# Altium PCB 0.PCB1.PcbDoc (part 3 of 12)
Units mm, origin at the board's own origin, x right, y up, seen from the top; angles counter-clockwise.
Board outline 77 x 72 mm, 6 copper layers (Top Layer, Layer 1, Layer 3, Layer 4, Layer 2, Bottom Layer), stack 1.538 mm thick; 570 components, 490 nets, 3331 pads, 1909 vias.
Unrouted connection lines stored in the file: 2.
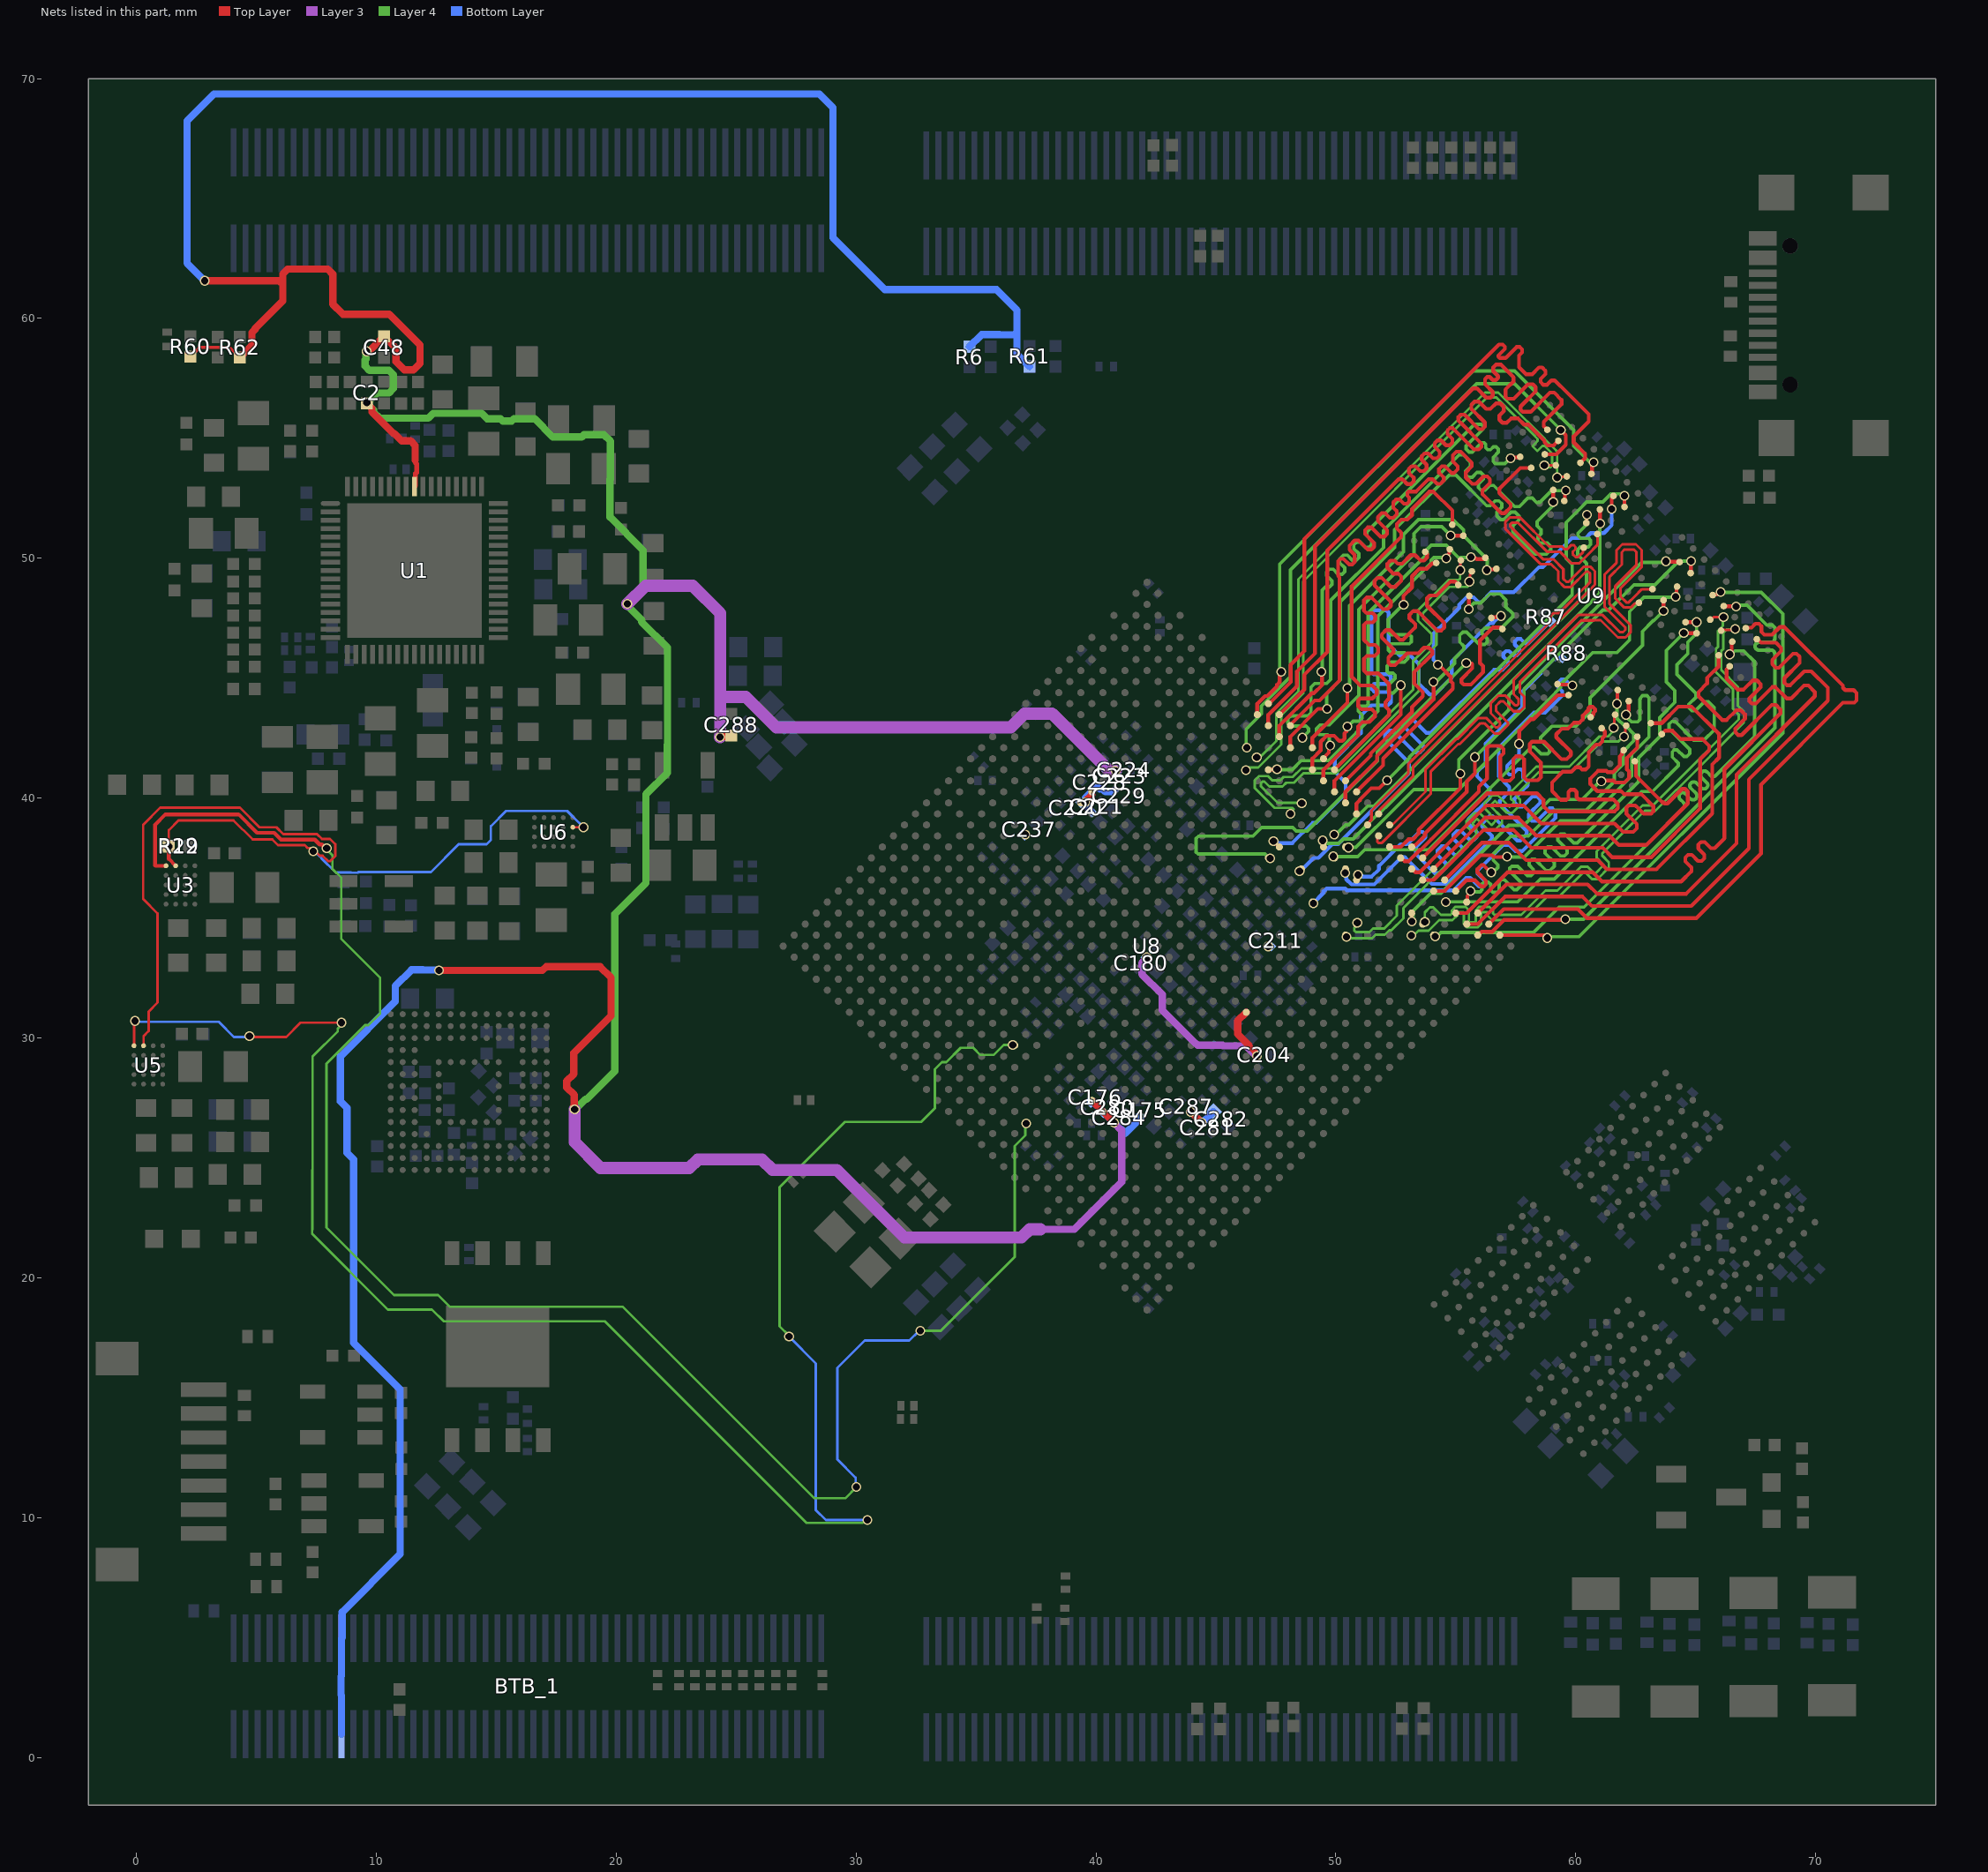
[diagram p7: the nets of this part, all layers, seen from the top]

## Via types
v1: diameter 0.41, hole 0.3, Top Layer to Bottom Layer, tented both sides, 1901 vias
v2: diameter 0.41, hole 0.3, Top Layer to Bottom Layer, 8 vias

## Nets (pads, with @x,y where several pads share a name; then routed paths per layer and width w, separated by ;. In a path a pad name is that pad's centre, name@x,y a point inside that pad or via, vN(x,y) a via of type N, cw(c..) or ccw(c..) an arc to the next point about the centre after c; other vN are vias at no path point) (continued)
AVDD1V8_DDR_PLL_S0: BTB_1.10 BTB_1.91 C2.2 C48.1 C175.2 C176.2 C180.2 C204.2 C211.2 C220.2 C221.2 C223.2 C224.2 C228.2 C229.2 C237.2 C280.2 C281.2 C282.2 C284.2 C287.2 C288.2 R6.2 R60.2 R61.2 R62.2 U1.60 U8.AG11 U8.AG13 U8.AG14 U8.AH18 U8.G23 U8.H23 U8.K16 U8.L27 U8.M12 U8.M27 U8.N27 U8.U18 | length 253.3
  Top Layer w0.127: R60.2@2.255,58.399 2.645,58.789 3.756,58.789 3.786,58.758 3.928,58.758 R62.2@4.312,58.374
  Top Layer w0.203: U1.60@11.59,52.989 11.637,53.036 11.637,53.523 11.681,53.567 11.681,53.933 11.624,53.99 11.624,54.086
  Top Layer w0.254: 46.382,29.671 46.635,29.418 46.635,29.367 46.713,29.29 v1(46.713,29.247)
  Top Layer w0.305: v1(2.849,61.567) 5.958,61.567 6.006,61.519 ; R62.2@4.312,58.374 4.353,58.333 4.353,58.414 4.625,58.687 4.635,58.687 4.816,58.869 4.816,59.407 4.951,59.542 4.951,59.579 6.1,60.728 6.1,61.857 6.298,62.055 7.98,62.055 8.191,61.844 8.191,60.592 8.607,60.175 10.538,60.175 11.82,58.894 11.82,58.121 11.551,57.852 11.171,57.852 10.824,58.198 10.824,58.742 10.341,59.226 C48.1@10.299,59.226 ; v1(9.595,58.628) 9.616,58.648 9.722,58.648 C48.1@10.32,59.246 ; C2.2@9.609,56.455 9.816,56.248 9.816,56.1 10.717,55.2 10.754,55.2 11.059,54.895 11.429,54.895 11.624,54.7 11.624,54.086 ; v1@12.636,32.813 16.924,32.813 17.081,32.97 19.334,32.97 19.788,32.515 19.788,30.922 18.236,29.37 18.236,28.499 17.937,28.199 17.937,27.936 18.252,27.62 18.252,27.041 v1(18.272,27.021) ; v1(24.329,42.542) 24.349,42.562 24.751,42.562 C288.2@24.792,42.603 ; v1(39.547,39.82) 39.547,39.848 39.832,40.133 U8.AG13@39.832,40.26 ; U8.N27@39.832,27.391 40.289,26.935 40.289,26.927 v1(40.748,26.467) ; v1(43.959,26.92) v1(44.418,26.46) ; U8.K16@46.267,31.068 45.912,30.713 45.912,30.165 46.382,29.695
  Layer 3 w0.305: 37.691,22.017 39.105,22.017 41.074,23.986 41.074,26.142 40.764,26.452 v1@40.764,26.457 ; v1(42.125,33.355) 42.125,33.326 41.919,33.12 41.919,32.655 42.763,31.811 42.763,31.158 44.174,29.746 44.186,29.746 44.239,29.693 45.277,29.693 45.299,29.671 46.261,29.671 46.684,29.247 v1(46.713,29.247)
  Layer 3 w0.508: v1(18.272,27.021) 18.272,25.649 19.349,24.572 23.045,24.572 23.403,24.93 26.083,24.93 26.519,24.494 29.195,24.494 32.012,21.677 36.895,21.677 37.234,22.017 37.691,22.017 ; v1(20.471,48.093) 21.23,48.852 23.192,48.852 24.34,47.704 24.34,44.222 ; v1(24.329,42.542) 24.34,42.553 24.34,44.222 ; v1(40.829,41.122) 40.572,41.122 38.173,43.521 37.015,43.521 36.446,42.952 26.675,42.952 25.405,44.222 24.34,44.222
  Layer 4 w0.305: v1(9.595,58.628) 9.575,58.608 9.575,58.304 9.537,58.266 9.537,58.013 9.716,57.835 10.53,57.835 10.708,57.656 10.708,57.07 10.53,56.891 10.04,56.891 9.638,56.489 v1(9.609,56.489) 9.609,56.46 9.882,56.187 9.882,56.106 10.151,55.837 12.168,55.837 12.374,56.043 14.39,56.043 14.62,55.814 15.175,55.814 15.268,55.721 15.648,55.721 15.741,55.814 16.607,55.814 17.363,55.058 18.565,55.058 18.652,55.146 19.493,55.146 19.762,54.877 19.762,53.305 19.742,53.284 19.742,51.712 21.117,50.337 21.117,48.739 v1@20.505,48.127 ; v1(18.272,27.021) 18.301,27.021 18.721,27.441 18.774,27.441 19.947,28.613 19.947,35.165 21.24,36.458 21.24,40.161 22.132,41.054 22.132,42.212 22.138,42.218 22.138,46.275 21.061,47.352 21.061,47.428 v1@20.434,48.055
  Bottom Layer w0.305: v1(2.849,61.567) 2.115,62.301 2.115,68.24 3.23,69.355 28.475,69.355 29.042,68.788 29.042,63.36 31.203,61.199 35.859,61.199 36.71,60.348 36.71,59.426 ; BTB_1.91@8.551,0.97 8.551,2.59 8.534,2.606 8.534,3.379 8.551,3.396 BTB_1.10@8.551,4.97 8.578,4.997 8.578,6.059 10.995,8.476 10.995,15.35 9.052,17.293 9.052,24.933 8.78,25.205 8.78,27.083 8.508,27.355 8.508,29.233 10.794,31.519 10.794,32.167 11.467,32.84 11.943,32.84 11.95,32.833 12.588,32.833 v1(12.608,32.813) ; R6.2@34.73,58.82 35.234,59.324 35.97,59.324 35.976,59.317 36.601,59.317 36.71,59.426 ; R61.2@37.231,57.993 36.885,58.339 36.875,58.339 36.71,58.504 36.71,59.426 ; C221.2@39.813,39.435 39.813,39.438 39.567,39.684 39.567,39.8 v1(39.547,39.82) 39.567,39.84 39.567,40.011 39.971,40.416 C228.2@39.971,40.419 ; C176.2@39.829,27.386 v1(40.748,26.467) ; C228.2@39.94,40.451 C228.2@39.971,40.419 ; C229.2@40.752,40.291 40.72,40.259 40.394,40.259 40.268,40.386 40.162,40.386 40.129,40.419 C228.2@39.971,40.419 ; C284.2@40.827,26.421 41.208,26.04 41.208,26.007 41.673,26.472 41.673,26.583 41.783,26.693 C175.2@41.828,26.693 ; v1(43.959,26.92) 43.963,26.924 43.965,26.924 44.422,26.467 C281.2@44.422,26.464 ; v1(44.418,26.46) C281.2@44.422,26.464 ; C282.2@44.901,26.922 44.472,26.492 44.45,26.492 C281.2@44.422,26.464
  other v1: 47.182,33.817 37.061,38.482
BIG/NPU_EN: R19.1 R22.2 U3.A2 U5.A2 U6.A2 | length 42.6
  Top Layer w0.102: U5.A2@0.299,29.671 0.299,30.079 0.489,30.27 0.508,30.288 0.508,31.093 0.884,31.469 0.884,31.51 0.884,35.192 0.284,35.792 0.284,38.885 0.998,39.599 4.317,39.599 5.136,38.78 5.838,38.78 6.121,38.497 7.53,38.497 7.733,38.294 8.076,38.294 8.291,38.079 8.291,37.583 8.076,37.367 7.992,37.367 7.764,37.595 7.645,37.595 7.459,37.781 7.459,37.868 v1(7.374,37.783) ; v1(1.353,37.982) 1.353,38.669 1.755,39.071 4.05,39.071 4.847,38.274 5.668,38.274 5.906,38.036 7.016,38.036 7.136,37.916 7.453,37.916 v1@7.48,37.889 ; U6.A2@18.193,38.784 v1(18.638,38.784)
  Top Layer w0.156: v1(1.353,37.982) 1.353,37.461 U3.A2@1.637,37.176
  Bottom Layer w0.102: v1(7.374,37.783) 7.438,37.783 7.659,37.562 7.714,37.562 7.714,37.49 8.311,36.893 8.947,36.893 8.948,36.891 9.233,36.891 9.26,36.918 12.277,36.918 13.431,38.072 14.599,38.072 14.777,38.25 14.777,38.834 15.405,39.463 17.959,39.463 18.469,38.953 v1(18.638,38.784)
CPU_BIG0_VSEL: U3.A1 U8.R31 | length 75.2
  Top Layer w0.156: U3.A1@1.237,37.176 0.799,37.176 0.78,37.195 0.78,38.884 1.215,39.319 4.259,39.319 5.029,38.55 5.742,38.55 6.025,38.267 7.434,38.267 7.637,38.063 7.732,38.063 7.886,37.91 v1(7.934,37.91)
  Layer 4 w0.102: v1(7.934,37.91) 7.934,37.847 8.173,37.608 8.173,37.044 8.544,36.673 8.544,34.126 10.162,32.508 10.162,31.02 9.674,30.532 9.534,30.532 7.926,28.923 7.926,22.091 10.736,19.28 12.576,19.28 13.062,18.794 20.271,18.794 28.262,10.804 29.557,10.804 30.019,11.266 v1(30.019,11.271) ; v1(32.682,17.79) 33.535,17.79 36.612,20.867 36.612,25.493 37.056,25.936 37.056,26.073 ; 37.056,26.073 37.056,26.388 v1(37.098,26.43)
  Bottom Layer w0.102: v1(30.019,11.271) 29.983,11.306 29.983,11.665 29.222,12.426 29.222,16.236 30.364,17.378 32.223,17.378 32.623,17.778 v1@32.707,17.778
CPU_BIG1_VSEL: U5.A1 U8.W28 | length 77.5
  Top Layer w0.102: U5.A1@-0.096,29.704 -0.098,29.707 -0.098,30.665 v1(-0.057,30.706) ; v1(4.717,30.07) 4.752,30.036 6.245,30.036 6.842,30.632 v1(8.549,30.632)
  Layer 4 w0.102: v1(8.549,30.632) 8.549,30.549 8.395,30.395 8.395,30.281 7.346,29.232 7.346,24.509 7.335,24.498 7.335,22.008 7.325,21.998 7.325,21.83 10.484,18.671 12.323,18.671 12.81,18.184 19.527,18.184 27.934,9.777 30.274,9.777 30.391,9.894 v1(30.475,9.894) ; v1(27.21,17.545) 27.21,17.579 26.812,17.977 26.812,23.772 29.537,26.498 32.72,26.498 33.288,27.066 33.288,28.693 33.585,28.989 33.766,28.989 34.362,29.585 34.889,29.585 35.187,29.288 35.733,29.288 36.153,29.708 36.523,29.708 v1(36.531,29.7)
  Bottom Layer w0.102: v1(-0.057,30.706) -0.021,30.671 3.431,30.671 4.066,30.036 4.683,30.036 v1(4.717,30.07) ; v1(27.21,17.545) 28.325,16.429 28.325,10.31 28.742,9.894 v1(30.475,9.894)
DDR_CH0_A0_A: U8.T7 U9.H2 | length 25.7
  Top Layer w0.156: v1@47.403,38.205 47.646,37.963 U8.T7@47.646,37.962 ; U9.H2@56.484,47.509 56.508,47.532 56.669,47.532 56.696,47.56 56.85,47.56 v1(56.885,47.594)
  Bottom Layer w0.156: v1(47.403,38.207) 47.487,38.123 48.19,38.123 49.029,38.962 49.179,38.962 50.412,40.195 50.412,40.638 49.963,41.087 49.963,41.625 51.04,42.703 51.04,43.422 51.489,43.871 52.175,43.871 52.293,43.988 52.293,44.326 52.201,44.417 51.617,44.417 51.508,44.527 51.508,44.663 51.6,44.755 52.156,44.755 52.293,44.892 52.293,45.07 52.201,45.162 51.581,45.162 51.489,45.253 51.489,47.737 51.581,47.829 52.112,47.829 52.204,47.737 52.204,46.404 52.676,45.931 52.887,45.931 ; 52.887,45.927 53.125,45.927 53.465,45.587 53.465,44.769 53.914,44.32 54.13,44.32 54.83,45.02 54.83,45.685 56.447,47.302 56.558,47.302 56.85,47.594 v1(56.885,47.594)
DDR_CH0_A0_B: U8.M8 U9.R2 | length 24
  Top Layer w0.156: v1(57.641,42.256) 57.65,42.266 57.65,42.806 58.13,43.285 58.24,43.285 59.246,44.291 U9.R2@59.701,44.291
  Bottom Layer w0.156: v1(49.061,35.61) 49.061,35.619 49.482,36.04 49.482,36.111 49.503,36.111 49.616,36.224 50.387,36.224 50.463,36.148 54.902,36.148 55.427,36.673 55.607,36.673 55.975,36.304 56.105,36.304 56.215,36.414 56.215,36.548 56.028,36.735 ; 56.024,36.731 55.909,36.846 55.909,36.976 56.967,38.033 57.239,38.033 57.487,37.785 57.766,37.785 59.158,39.177 59.158,39.449 59.039,39.568 58.909,39.568 58.391,39.05 58.173,39.05 58.054,39.17 58.054,39.335 58.518,39.8 58.518,39.929 58.391,40.056 58.196,40.056 57.773,39.633 57.643,39.633 57.452,39.825 57.446,39.825 57.446,39.97 57.802,40.325 57.802,40.336 57.997,40.531 57.997,40.66 57.906,40.752 57.894,40.752 57.802,40.844 57.802,41.107 57.71,41.199 57.581,41.199 57.36,40.978 57.231,40.978 57.139,41.07 57.139,41.341 57.54,41.743 57.561,41.743 57.635,41.816 57.635,42.246 v1@57.65,42.261
DDR_CH0_A1_A: U8.T8 U9.J2 | length 23.3
  Top Layer w0.156: v1(55.44,45.628) 55.46,45.607 55.673,45.607 55.691,45.59 55.691,45.41 55.237,44.957 55.237,44.827 55.329,44.736 55.63,44.736 56.14,45.246 56.14,45.5 56.014,45.626 56.014,46.577 56.552,47.116 56.876,47.116 U9.J2@56.944,47.049
  Layer 4 w0.142: v1(47.26,37.489) 47.217,37.489 47.041,37.665 44.256,37.665 44.172,37.748 44.172,38.311 44.277,38.415 46.547,38.415 46.905,38.773 48.203,38.773 48.351,38.626 48.805,38.626 51.734,41.555 51.734,41.922 v1(55.44,45.628)
DDR_CH0_A1_B: U8.M5 U9.P2 | length 21.5
  Top Layer w0.156: U9.P2@59.242,44.751 59.265,44.727 59.83,44.727 v1(59.859,44.698)
  Bottom Layer w0.156: v1(50.392,36.875) 50.44,36.827 50.44,36.613 50.657,36.396 51.606,36.396 52.75,37.541 52.88,37.541 54.004,36.417 54.632,36.417 56.505,38.29 56.505,38.419 56.104,38.82 56.104,38.95 56.409,39.255 56.538,39.255 57.562,38.231 57.692,38.231 57.957,38.497 57.957,38.637 56.841,39.753 56.841,39.882 57.237,40.278 57.237,40.458 56.788,40.907 56.788,42.092 58.26,43.565 58.727,43.565 59.444,44.282 59.444,44.454 59.268,44.631 59.268,44.811 59.4,44.943 59.546,44.943 59.791,44.698 v1(59.859,44.698)
DDR_CH0_A2_A: U8.P4 U9.H9 | length 19.5
  Top Layer w0.156: U9.H9@60.444,51.468 60.456,51.481 60.456,51.799 v1(60.469,51.812)
  Layer 4 w0.142: v1(49.928,38.482) 50,38.482 50.404,38.885 50.543,38.885 51.32,39.662 51.586,39.662 60.451,48.527 60.451,49.782 60.091,50.142 ; 60.08,50.142 60.08,50.358 60.192,50.47 60.522,50.47 60.624,50.572 60.624,50.747 60.541,50.831 60.202,50.831 60.091,50.942 60.091,51.04 60.424,51.373 60.424,51.767 v1(60.469,51.812)
DDR_CH0_A2_B: U8.N5 U9.R9 | length 20.3
  Top Layer w0.156: v1(63.662,47.801) U9.R9@63.661,48.251
  Layer 4 w0.142: v1(49.901,37.565) 50.917,37.565 51.195,37.844 53.862,37.844 54.119,38.1 58.148,42.13 58.266,42.13 58.556,41.839 58.828,41.839 58.911,41.923 58.911,42.041 58.544,42.408 58.544,42.526 58.983,42.965 59.012,42.994 60.008,42.994 60.599,43.584 60.599,44.179 62.785,46.366 62.785,46.947 63.235,47.396 63.256,47.396 v1(63.662,47.801)
DDR_CH0_A3_A: U8.P5 U9.H10 | length 19.4
  Top Layer w0.156: U9.H10@61.009,52.034 61.014,52.03 61.014,51.455 v1(61.018,51.451)
  Layer 4 w0.142: v1(49.45,38.23) 49.522,38.23 49.639,38.113 50.124,38.113 50.311,38.301 50.727,38.301 50.993,38.567 50.998,38.567 51.188,38.757 51.188,38.762 51.704,39.278 51.745,39.278 52.344,39.876 61.01,48.542 61.01,51.442 v1(61.018,51.451)
DDR_CH0_A3_B: U8.N4 U9.R10 | length 19.2
  Top Layer w0.156: v1(64.166,48.398) 64.203,48.435 64.203,48.793 U9.R10@64.227,48.817
  Layer 4 w0.142: v1(50.527,37.933) 50.537,37.943 50.834,37.943 52.555,39.664 53.252,40.361 55.122,40.361 58.897,44.136 59.373,44.612 59.373,44.732 60.705,46.064 61.723,46.064 62.247,46.587 62.247,47.774 62.841,48.368 64.136,48.368 v1(64.166,48.398)
DDR_CH0_A4_A: U8.R1 U9.H11 | length 19.4
  Top Layer w0.156: U8.R1@50.863,40.26 51.971,41.368 51.971,41.649 54.88,44.557 54.88,44.784 54.793,44.871 54.793,45.051 v1@54.326,45.518 ; v1(61.503,52.052) 61.503,52.494 61.575,52.566 U9.H11@61.575,52.6
  Bottom Layer w0.156: v1@54.325,45.515 54.073,45.766 54.073,46.854 54.583,47.364 54.69,47.471 55.147,47.927 55.147,48.062 55.455,48.37 55.744,48.37 55.941,48.173 56.07,48.173 56.483,48.586 57.421,48.586 58.463,49.628 58.635,49.628 59.847,50.84 60.412,50.84 60.624,51.052 61.177,51.052 61.503,51.377 v1(61.503,52.052)
  other v1: 54.259,45.555
DDR_CH0_A4_B: U8.K1 U9.R11 | length 18.3
  Top Layer w0.156: U8.K1@53.161,37.962 53.2,37.962 53.272,38.034 53.315,38.034 53.709,38.428 53.709,38.51 55.456,40.257 55.456,40.685 55.798,41.028 v1(55.798,41.705) ; U9.R11@64.793,49.382 64.804,49.394 64.804,49.872 v1(64.815,49.883)
  Layer 4 w0.142: v1(55.798,41.705) 57.849,43.756 57.849,44.544 61.138,47.834 61.373,47.834 62.43,48.89 63.299,48.89 64.292,49.883 v1(64.815,49.883)
DDR_CH0_A5_A: U8.P2 U9.J11 | length 19.6
  Top Layer w0.156: U8.P2@50.863,39.341 50.863,39.767 51.003,39.907 51.003,39.933 51.479,40.409 51.81,40.409 52.134,40.733 v1(52.134,40.745) ; U9.J11@62.035,52.14 v1(62.035,52.609)
  Layer 4 w0.142: v1(52.134,40.745) 52.146,40.745 53.083,41.682 53.083,41.709 59.856,48.483 59.856,49.733 59.6,49.989 59.6,51.49 60.22,52.11 60.222,52.11 60.454,52.342 61.129,52.342 61.475,52.688 61.873,52.688 61.952,52.609 v1(62.035,52.609)
DDR_CH0_A5_B: U8.L2 U9.P11 | length 18.3
  Top Layer w0.156: U8.L2@52.242,37.962 52.71,37.962 53.029,38.282 53.212,38.282 53.449,38.519 53.449,38.674 55.188,40.413 v1(55.188,41.019) ; v1(63.76,49.872) 63.775,49.857 64.318,49.857 U9.P11@64.333,49.842
  Layer 4 w0.142: v1(55.188,41.019) 55.13,41.078 55.13,41.599 57.218,43.687 57.218,44.293 57.436,44.511 62.753,49.828 63.716,49.828 v1(63.76,49.872)
DDR_CH0_CLKN_A: U8.N1 U9.J9 | length 24.1
  Top Layer w0.112: U8.N1@51.782,39.341 51.818,39.377 51.818,39.503 53.228,40.913 53.228,41.326 56.925,45.023 60.802,48.9 60.802,49.46 60.613,49.649 60.342,49.649 59.706,49.014 59.614,49.014 59.486,49.141 59.486,49.546 59.072,49.96 58.641,49.96 57.274,51.327 57.274,51.419 57.339,51.485 57.59,51.485 58.803,50.272 59.342,50.272 59.83,49.784 60.136,49.784 60.523,50.171 60.903,50.551 U9.J9@60.903,51.009
DDR_CH0_CLKN_B: U8.M1 U9.P9 | length 26
  Top Layer w0.112: U8.M1@52.242,38.881 52.278,38.917 52.397,38.917 53.741,40.262 53.741,41.192 55.013,42.465 55.074,42.465 55.947,43.338 56.273,43.338 56.662,42.949 56.755,42.949 56.839,43.033 56.839,43.157 56.463,43.533 56.463,43.95 56.79,44.276 57.062,44.276 57.467,43.871 57.561,43.871 57.627,43.937 57.627,44.115 57.413,44.328 57.413,44.928 60.116,47.63 61.127,47.63 61.836,46.922 61.975,46.922 62.069,47.016 62.069,47.115 61.201,47.983 61.201,49.313 61.707,49.82 61.707,50.339 61.945,50.577 62.511,50.577 62.749,50.339 62.749,49.632 61.869,48.752 61.869,48.403 62.116,48.156 62.209,48.156 62.439,48.387 62.763,48.711 U9.P9@63.202,48.711
DDR_CH0_CLKP_A: U8.N2 U9.J8 | length 24.6
  Top Layer w0.112: U8.N2@51.323,38.881 51.323,38.932 51.485,39.095 51.485,39.471 53.015,41.001 53.015,41.414 58.962,47.362 58.962,47.604 59.065,47.707 59.307,47.707 60.411,48.811 ; U9.J8@60.338,50.443 60.31,50.415 60.31,50.259 60.094,50.044 60.002,50.044 59.874,50.171 59.874,50.264 59.991,50.381 59.991,50.473 59.915,50.549 59.816,50.549 59.641,50.374 59.542,50.374 59.431,50.485 58.892,50.485 57.679,51.698 57.251,51.698 57.06,51.508 57.06,51.238 58.552,49.747 58.984,49.747 59.273,49.458 59.273,49.053 59.525,48.8 59.795,48.8 60.433,49.438 60.526,49.438 60.591,49.373 60.591,48.987 60.413,48.809
DDR_CH0_CLKP_B: U8.M2 U9.P8 | length 26.4
  Top Layer w0.112: U8.M2@51.729,38.339 51.727,38.337 51.727,38.183 51.787,38.123 51.904,38.123 53.954,40.173 53.954,41.104 55.102,42.252 55.162,42.252 56.03,43.119 56.19,43.119 56.616,42.693 56.819,42.693 57.175,43.049 57.175,43.142 56.679,43.638 56.679,43.848 56.859,44.028 56.996,44.028 57.404,43.62 57.674,43.62 57.864,43.81 57.864,44.218 57.667,44.416 57.667,44.846 60.228,47.407 60.769,47.407 60.778,47.417 61.039,47.417 61.757,46.698 62.074,46.698 62.285,46.909 62.285,47.216 62.018,47.483 ; 62.039,47.468 61.414,48.093 61.414,49.225 61.921,49.731 61.921,50.251 62.034,50.364 62.423,50.364 62.536,50.251 62.536,49.72 61.656,48.84 61.656,48.315 62.028,47.943 62.297,47.943 62.467,48.113 62.604,48.113 U9.P8@62.636,48.145
DDR_CH0_DM0_A: U8.Y4 U9.C3 | length 13.9
  Top Layer w0.156: U8.Y4@47.186,41.179 47.194,41.187 47.541,41.187 v1(47.549,41.195) ; v1(54.604,49.99) 54.604,50.069 54.728,50.194 54.728,50.349 U9.C3@54.752,50.372
  Layer 4 w0.142: v1(47.549,41.195) 47.565,41.178 48.179,41.178 48.559,41.559 49.683,41.559 49.904,41.779 51.75,43.625 51.75,47.586 53.984,49.819 53.984,49.92 54.094,50.03 54.563,50.03 v1(54.604,49.99)
DDR_CH0_DM0_B: U8.G4 U9.Y3 | length 14.1
  Top Layer w0.142: U8.G4@53.161,35.204 53.165,35.201 53.165,34.858 v1(53.168,34.855)
  Top Layer w0.156: v1(61.069,40.697) 61.101,40.729 61.572,40.729 61.65,40.651 62.031,40.651 62.231,40.851 62.231,41.1 62.138,41.192 62.138,41.674 62.565,42.101 U9.Y3@62.565,42.559
  Layer 4 w0.142: v1(53.168,34.855) 53.224,34.911 53.224,35.294 53.957,36.027 54.38,36.027 56.899,38.546 57.218,38.864 57.842,38.864 58.92,39.942 60.271,39.942 61.026,40.697 v1(61.069,40.697)
DDR_CH0_DM1_A: U8.AB4 U9.C10 | length 25.2
  Top Layer w0.156: U9.C10@58.711,54.332 59.193,54.332 59.589,54.728 59.589,55.135 59.379,55.344 v1(59.377,55.343)
  Layer 4 w0.142: v1(46.286,42.1) 46.265,42.122 46.265,42.881 46.89,43.507 46.89,43.839 47.988,44.937 48.117,45.066 48.117,49.52 55.871,57.274 57.451,57.274 59.337,55.388 59.373,55.388 59.377,55.384 v1(59.377,55.343)
DDR_CH0_DM1_B: U8.E4 U9.Y10 | length 24.2
  Top Layer w0.156: v1@66.503,46.144 66.503,46.497 U9.Y10@66.525,46.519
  Layer 4 w0.142: v1(54.147,34.224) 54.219,34.224 54.384,34.389 58.248,34.389 59.311,35.452 60.352,35.452 64.437,39.537 64.487,39.588 ccw(c64.374,39.701) 64.487,39.814 64.353,39.948 cw(c64.467,40.062) 64.353,40.175 cw(c64.467,40.062) 64.58,40.175 64.781,39.974 ccw(c64.894,40.087) 65.007,39.974 ccw(c64.894,40.087) 65.007,40.2 64.806,40.401 cw(c64.919,40.515) 64.806,40.628 cw(c64.919,40.515) 65.033,40.628 65.234,40.427 ccw(c65.347,40.54) 65.46,40.427 ccw(c65.347,40.54) 65.46,40.653 65.259,40.854 cw(c65.372,40.968) 65.259,41.081 cw(c65.372,40.968) 65.486,41.081 65.62,40.947 ccw(c65.733,41.06) 65.846,40.947 66.436,41.536 67.455,42.556 67.455,45.689 67.006,46.138 66.639,46.138 66.493,45.992 v1(66.42,45.992)
DDR_CH0_DQ0_A: U8.U1 U9.B2 | length 18
  Top Layer w0.156: U8.U1@49.944,41.179 52.224,43.459 52.224,43.668 52.071,43.821 52.071,44 52.224,44.153 52.224,44.744 51.769,45.2 51.297,45.2 51.17,45.327 51.17,45.804 51.297,45.931 51.627,45.931 51.772,46.076 51.772,46.256 51.645,46.383 51.387,46.383 51.17,46.6 51.17,47.218 51.281,47.329 51.538,47.329 51.649,47.441 51.649,47.599 51.538,47.711 51.281,47.711 51.17,47.822 51.17,48.24 51.297,48.367 51.476,48.367 51.971,47.872 52.151,47.872 52.293,48.014 52.293,48.194 51.612,48.875 51.612,49.055 51.739,49.182 51.919,49.182 52.296,48.805 52.476,48.805 52.726,49.055 52.726,49.234 52.598,49.361 52.386,49.361 52.152,49.595 52.152,49.775 52.278,49.9 52.458,49.9 52.586,49.772 52.766,49.772 53.125,50.131 53.304,50.131 53.535,49.9 53.678,49.9 53.805,50.027 53.805,50.188 U9.B2@53.726,50.266